# KiCad board squishy.kicad_pcb (continued)
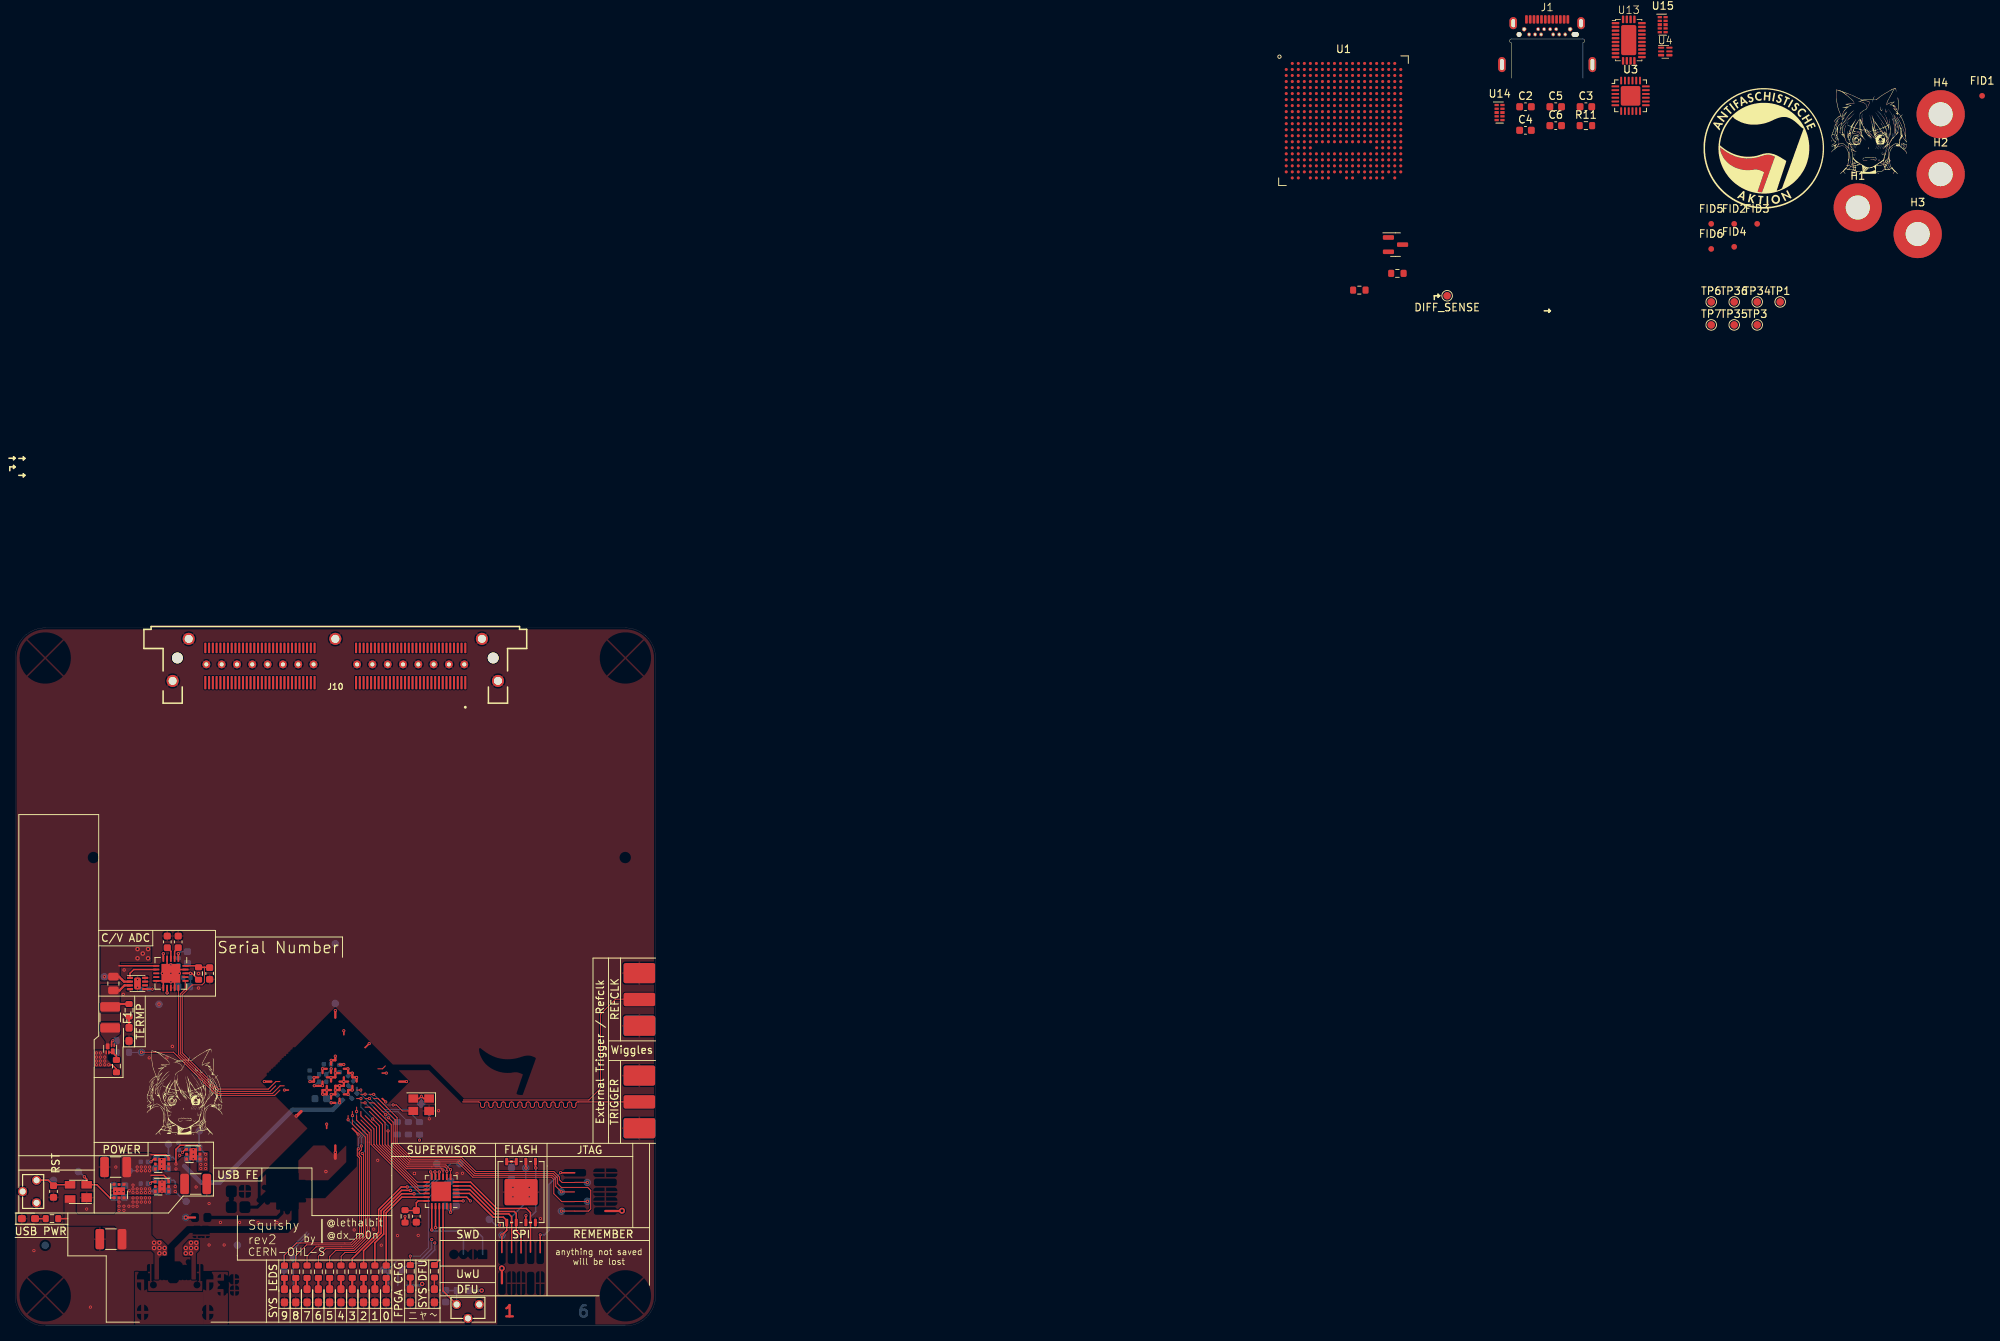
[diagram p0: board, top side]
## Footprints (pads in the part's own frame, mm; a bottom-side part is the same pattern mirrored in y, then rotated) (continued)
  rrect 0.279x1.397 smd: 02(17.252,1.334) 04(16.752,1.334) 06(16.252,1.334) 08(15.752,1.334) 10(15.252,1.334) 12(14.752,1.334) 14(14.252,1.334) 16(13.752,1.334) 18(13.252,1.334) 20(12.752,1.334) 22(12.252,1.334) 24(11.752,1.334) 26(11.252,1.334) 28(10.752,1.334) 30(10.252,1.334) 32(9.752,1.334) 34(9.252,1.334) 36(8.752,1.334) 38(8.252,1.334) 40(7.752,1.334) 42(7.252,1.334) 44(6.752,1.334) 46(6.252,1.334) 48(5.752,1.334) 50(5.252,1.334) 52(4.752,1.334) 54(4.252,1.334) 56(3.752,1.334) 58(3.252,1.334) 60(2.752,1.334) 62(-2.752,1.334) 64(-3.252,1.334) 66(-3.752,1.334) 68(-4.252,1.334) 70(-4.752,1.334) 72(-5.252,1.334) 74(-5.752,1.334) 76(-6.252,1.334) 78(-6.752,1.334) 80(-7.252,1.334) 82(-7.752,1.334) 84(-8.252,1.334) 86(-8.752,1.334) 88(-9.252,1.334) 90(-9.752,1.334) 92(-10.252,1.334) 94(-10.752,1.334) 96(-11.252,1.334) 98(-11.752,1.334) 100(-12.252,1.334) 102(-12.752,1.334) 104(-13.252,1.334) 106(-13.752,1.334) 108(-14.252,1.334) 110(-14.752,1.334) 112(-15.252,1.334) 114(-15.752,1.334) 116(-16.252,1.334) 118(-16.752,1.334) 120(-17.252,1.334)
  round 1.601 hole 1.067: GND(-21.59,-3.048) GND(-19.456,2.54) GND(0,2.54) GND(19.456,2.54) GND(21.59,-3.048)
  round 1.041 hole 0.533: GND(-17.113,-0.851) GND(-15.082,-0.851) GND(-13.05,-0.851) GND(-11.018,-0.851) GND(-8.986,-0.851) GND(-6.954,-0.851) GND(-4.921,-0.851) GND(-2.889,-0.851) GND(2.889,-0.851) GND(4.921,-0.851) GND(6.954,-0.851) GND(8.986,-0.851) GND(11.018,-0.851) GND(13.05,-0.851) GND(15.082,-0.851) GND(17.113,-0.851)
R_0603_1608Metric
  rrect 0.8x0.95 smd: 1(-0.825,0) 2(0.825,0)
R_0805_2012Metric
  rrect 1.025x1.4 smd: 1(-0.912,0) 2(0.912,0)
SOT-23
  rrect 1.475x0.6 smd: 1(-0.938,0.95) 2(-0.938,-0.95) 3(0.938,0)
SOT-143
  rect 1.4x1.2 smd: 1(-1.1,0.77)
  rect 1.4x1 smd: 2(-1.1,-0.95) 3(1.1,-0.95) 4(1.1,0.95)
SW_Tactile_SPST_Angled_TC-1109DE
  round 1.2 hole 0.8: 1(-1.5,0) 2(1.5,0) 3(0,1.85)
TestPoint_Pad_D1.0mm
  round 1 smd: 1(0,0)
UDFN-6L
  rrect 0.8x0.25 smd: 1(-0.55,0.55) 2(-0.55,0.05) 5(0.55,0.05) 6(0.55,0.55)
  rrect 0.8x0.35 smd: 3(-0.55,-0.45) 4(0.55,-0.45)
USB-3.1-Type-C_In-PCB
  round 0.65 hole 0.65 unplated: (-3.725,0.4)
  oval 0.95x0.65 hole 0.95x0.65 unplated: (3.725,0.4)
  rrect 0.35x1.1 smd: A1(-2.75,2.4) A2(-2.25,2.4) A3(-1.75,2.4) A4(-1.25,2.4) A5(-0.75,2.4) A6(-0.25,2.4) A7(0.25,2.4) A8(0.75,2.4) A9(1.25,2.4) A10(1.75,2.4) A11(2.25,2.4) A12(2.75,2.4)
  round 0.6 hole 0.4: B1(3.05,1.1) B12(-3.05,1.1)
  round 0.5 hole 0.3: B2(2.4,0.4) B3(1.6,0.4) B4(1.2,1.1) B5(0.8,0.4) B6(0.4,1.1) B7(-0.4,1.1) B8(-0.8,0.4) B9(-1.2,1.1) B10(-1.6,0.4) B11(-2.4,0.4)
  oval 1x2 hole 0.5x1.5: S1(-6,-3.6) S1(6,-3.6)
  oval 1x1.6 hole 0.5x1.1: S1(-4.5,1.9) S1(4.5,1.9)
USON-10_2.5x1.0mm_P0.5mm
  rect 0.55x0.3 smd: 1(-0.385,1) 2(-0.385,0.5) 4(-0.385,-0.5) 5(-0.385,-1) 6(0.385,-1) 7(0.385,-0.5) 9(0.385,0.5) 10(0.385,1)
  rect 0.55x0.4 smd: 3(-0.385,0) 8(0.385,0)
WQFN-28-1EP_3.5x5.5_P0.5mm_EP2x4mm
  rrect 1x0.3 smd: 1(-1.75,2.25) 2(-1.75,1.75) 3(-1.75,1.25) 4(-1.75,0.75) 5(-1.75,0.25) 6(-1.75,-0.25) 7(-1.75,-0.75) 8(-1.75,-1.25) 9(-1.75,-1.75) 10(-1.75,-2.25) 15(1.75,-2.25) 16(1.75,-1.75) 17(1.75,-1.25) 18(1.75,-0.75) 19(1.75,-0.25) 20(1.75,0.25) 21(1.75,0.75) 22(1.75,1.25) 23(1.75,1.75) 24(1.75,2.25)
  rrect 0.3x1 smd: 11(-0.75,-2.75) 12(-0.25,-2.75) 13(0.25,-2.75) 14(0.75,-2.75) 25(0.75,2.75) 26(0.25,2.75) 27(-0.25,2.75) 28(-0.75,2.75)
  rrect 2x4 smd: 29(0,0)
WSON-6-1EP_2x2mm_P0.65mm_EP1x1.6mm
  rrect 0.81x0.64 smd: (0,0.4) (0,-0.4)
  rrect 0.375x0.4 smd: 1(-0.887,0.65) 2(-0.887,0) 3(-0.887,-0.65) 4(0.887,-0.65) 5(0.887,0) 6(0.887,0.65)
  rect 1x1.6 smd: 7(0,0)
WSON-8-1EP-6.0x8.0mm
  rrect 1x0.4 smd: 1(-4.05,1.905) 2(-4.05,0.635) 3(-4.05,-0.635) 4(-4.05,-1.905) 5(4.05,-1.905) 6(4.05,-0.635) 7(4.05,0.635) 8(4.05,1.905)
  rrect 3.5x4.4 smd: 9(0,0)
WSON_8_2x2mm_1EP
  rrect 0.8x0.3 smd: 1(-1,0.75) 2(-1,0.25) 3(-1,-0.25) 4(-1,-0.75) 5(1,0.75) 6(1,0.25) 7(1,-0.25) 8(1,-0.75)
  rrect 0.9x1.6 smd: 9(0,0)
X2-DFN1310-6
  rrect 0.5x0.79 smd: 1(-0.34,0.33) 4(0.34,-0.33)
  rrect 0.2x0.5 smd: 2(0.18,0.47) 3(0.53,0.47) 5(-0.18,-0.47) 6(-0.53,-0.47)

## Nets
+1V1: C18.1 C21.1 C22.1 C23.1 C36.1 TP20.1 U10.1 U10.2
+1V8: C33.1 TP12.1 U9.1 U9.2
+2V5: C7.2 C24.1 C25.1 C26.1 C34.1 TP9.1 U8.1 U8.2 U10.3 U10.6
+3V3: C1.1 C2.1 C6.1 C8.2 C11.1 C12.1 C13.1 C17.1 C19.1 C27.1 C28.1 C29.1 C30.1 C31.1 C41.1 C42.1 R14.1 R25.1 R26.1 R27.1 R33.1 TP11.1 U2.3 U2.7 U2.8 U3.23 U6.24 U7.1 U8.3 U8.6 U9.3 U9.6 U11.18 U13.17 U13.22 X1.1 X1.2
+5V: C9.1 C16.1 C39.1 C40.1 C43.2 J1.A4 J1.A9 J1.B4 J1.B9 Q3.3 R17.1 R32.1 TP10.1 U5.4 U7.5 U7.6 U11.1 U12.8
GND: C1.2 C2.2 C3.1 C4.2 C5.1 C6.2 C7.1 C8.1 C9.2 C10.2 C11.2 C12.2 C13.2 C14.2 C15.2 C16.2 C17.2 C18.2 C19.2 C20.2 C21.2 C22.2 C23.2 C24.2 C25.2 C26.2 C27.2 C28.2 C29.2 C30.2 C31.2 C32.2 C33.2 C34.2 C35.2 C36.2 C37.2 C38.2 C39.2 C40.2 C41.2 C42.2 C43.1 C44.2 D1.1 D2.1 D3.1 D4.1 D5.1 D6.1 D7.1 D8.1 D9.1 D10.1 D11.1 D12.1 D13.1 D14.1 H1.1 H2.1 H3.1 H4.1 J1.A1 J1.A12 J1.B1 J1.B12 J8.2 J9.2 J10.GND Q2.2 Q3.6 R11.1 R18.2 R28.2 R29.2 SW1.1 SW1.3 SW2.1 SW2.3 TP13.1 TP14.1 TP15.1 TP16.1 TP17.1 U2.4 U2.9 U3.25 U4.3 U4.4 U5.1 U6.23 U7.3 U7.7 U8.5 U8.7 U9.5 U9.7 U10.5 U10.7 U11.4 U11.10 U11.11 U11.13 U11.14 U11.19 U11.21 U12.4 U12.5 U12.6 U12.9 U13.29 U14.3 U14.8 U15.3 U15.8 X1.4
/CIPO: TP35.1 U2.2 U6.5
/CLKOUT: J9.1 U1.P4
/COPI: TP36.1 U2.5 U6.6
/FPGA_CCLK: U1.U3 U6.13
/FPGA_CFG0: R27.2 U1.U4
/FPGA_CFG1: R28.1 U1.T4
/FPGA_CFG2: R29.1 U1.R4
/FPGA_CIPO: U1.V2 U6.16
/FPGA_COPI: U1.W2 U6.14
/FPGA_DONE: R4.1 TP31.1 U1.Y3 U6.7
/FPGA_RX: TP4.1 U1.K1
/FPGA_TCK: TP26.1 U1.T5
/FPGA_TDI: TP28.1 U1.R5
/FPGA_TDO: TP27.1 U1.V4
/FPGA_TMS: TP25.1 U1.U5
/FPGA_TX: TP5.1 U1.J1
/IN_DFU: R24.1 U6.21
/PD_SWCLK: TP7.1 U3.8
/PD_SWDIO: TP6.1 U3.7
/Power Supply/PSU_EN: TP22.1 U5.2 U7.4
/S0: R19.1 U6.17
/S1: R5.1 U6.10
/S2: R20.1 U6.11
/S3: R6.1 U6.12
/S4: R21.1
/S5: R7.1
/S6: R22.1
/S7: R8.1
/S8: R23.1
/S9: R9.1
/SCSI-PHY/DIFF_SENSE: R16.1 TP24.1
/SCSI-PHY/~{DIFF_SENSE}: Q2.3 R14.2
/SPI_CLK: TP19.1 U2.6 U6.4
/SU_RX: TP33.1 U6.1
/SU_SWCLK: TP3.1 U6.19
/SU_SWDIO: TP1.1 U6.20
/SU_TX: TP32.1 U6.2
/SYS_CLK: U1.H2 X1.3
/Termination Power/_TERMPWR: F1.1 R15.1 R30.1 U12.3
/Termination Power/ADC_SCL: U11.16
/Termination Power/ADC_SDA: U11.15
/Termination Power/TERMPWR_CSENSE: U11.7 U12.1
/Termination Power/TP_EN: R31.1 TP8.1
/Termination Power/~{ADC_RST}: C44.1 R33.2 U11.20
/TERMPWR: R30.2 TP2.1 U11.6 U12.2
/TRIGGER: J8.1 U1.N3
/USB Frontend/CC1: J1.A5 U3.15
/USB Frontend/CC2: J1.B5 U3.14
/USB Frontend/D+: J1.A6 J1.B6 U3.17 U4.2 U4.5
/USB Frontend/D-: J1.A7 J1.B7 U3.16 U4.1 U4.6
/USB Frontend/PLUG_POL: U3.9 U13.3
/USB Frontend/RX1+: J1.B11 U13.1 U14.1
/USB Frontend/RX1-: J1.B10 U13.2 U14.2
/USB Frontend/RX2+: J1.A11 U13.9 U15.4
/USB Frontend/RX2-: J1.A10 U13.10 U15.5
/USB Frontend/TX1+: J1.A2 U13.4 U14.4
/USB Frontend/TX1-: J1.A3 U13.5 U14.5
/USB Frontend/TX2+: J1.B2 U13.6 U15.1
/USB Frontend/TX2-: J1.B3 U13.7 U15.2
/USB Frontend/USB-FE.RX+: U1.Y15 U13.28
/USB Frontend/USB-FE.RX-: U1.Y14 U13.27
/USB Frontend/USB-FE.TX+: U1.W14 U13.26
/USB Frontend/USB-FE.TX-: U1.W13 U13.25
/~{DFU_TRIG}: C15.1 R26.2 SW2.2 TP34.1 U6.22
/~{FPGA_CS}: U1.T2 U6.15
/~{FPGA_INIT}: TP29.1 U1.V3 U6.9
/~{FPGA_PROG}: TP30.1 U1.W3 U6.8
/~{FPGA_RESET}: TP23.1
/~{SPI_CS}: TP18.1 U2.1 U6.3
Net-(C4-Pad1): C4.1 U3.24
Net-(C10-Pad1): C10.1 SW1.2 TP21.1 U5.3
Net-(C14-Pad1): C14.1 R25.2 U6.18
Net-(C20-Pad1): C20.1 U8.4
Net-(C32-Pad1): C32.1 U9.4
Net-(C35-Pad1): C35.1 U10.4
Net-(C37-Pad1): C37.1 U11.2
Net-(C38-Pad1): C38.1 U11.3
Net-(D1-Pad2): D1.2 R4.2
Net-(D2-Pad2): D2.2 R5.2
Net-(D3-Pad2): D3.2 R6.2
Net-(D4-Pad2): D4.2 R7.2
Net-(D5-Pad2): D5.2 R8.2
Net-(D6-Pad2): D6.2 R9.2
Net-(D7-Pad2): D7.2 R15.2
Net-(D8-Pad2): D8.2 R19.2
Net-(D9-Pad2): D9.2 R20.2
Net-(D10-Pad2): D10.2 R21.2
Net-(D11-Pad2): D11.2 R22.2
Net-(D12-Pad2): D12.2 R23.2
Net-(D13-Pad2): D13.2 R24.2
Net-(D14-Pad2): D14.2 R32.2
Net-(F1-Pad2): F1.2 Q3.4
Net-(Q2-Pad1): Q2.1 R16.2
Net-(Q3-Pad1): Q3.1 Q3.2 R17.2
Net-(Q3-Pad5): Q3.5 R18.1 R31.2
Net-(R11-Pad2): C3.2 C5.2 J1.S1 R11.2
Net-(U1-PadB14): U1.B7 U1.B14 U1.C19 U1.D4 U1.F7 U1.F8 U1.F13 U1.F14 U1.G4 U1.G6 U1.G7 U1.G8 U1.G9 U1.G10 U1.G11 U1.G12 U1.G13 U1.G14 U1.G15 U1.G17 U1.H19 U1.J2 U1.J7 U1.J9 U1.J10 U1.J11 U1.J12 U1.J14 U1.K6 U1.K7 U1.K9 U1.K10 U1.K11 U1.K12 U1.K14 U1.K15 U1.L9 U1.L10 U1.L11 U1.L12 U1.M2 U1.M7 U1.M9 U1.M10 U1.M11 U1.M12 U1.M14 U1.M16 U1.N6 U1.N7 U1.N14 U1.N15 U1.P7 U1.P8 U1.P11 U1.P12 U1.P13 U1.P14 U1.R19 U1.U7 U1.U8 U1.U9 U1.U10 U1.U11 U1.U12 U1.U13 U1.U14 U1.V5 U1.V6 U1.V7 U1.V8 U1.V9 U1.V12 U1.V13 U1.V14 U1.V15 U1.V16 U1.V19 U1.V20 U1.W6 U1.W7 U1.W12 U1.W15 U1.W16 U1.W19
Net-(U1-PadF10): U1.F9 U1.F10
Net-(U1-PadF11): U1.F11 U1.F12
Net-(U1-PadF15): U1.F6 U1.F15 U1.P6 U1.P15
Net-(U1-PadH6): U1.H6 U1.H7 U1.J6
Net-(U1-PadH10): U1.H8 U1.H9 U1.H10 U1.H11 U1.H12 U1.H13 U1.J8 U1.J13 U1.K8 U1.K13 U1.L8 U1.L13 U1.M8 U1.M13 U1.N8 U1.N9 U1.N10 U1.N11 U1.N12 U1.N13
Net-(U1-PadH14): U1.H14 U1.H15 U1.J15
Net-(U1-PadL6): U1.L6 U1.L7 U1.M6
Net-(U1-PadL14): U1.L14 U1.L15 U1.M15
Net-(U1-PadP10): U1.P9 U1.P10
Net-(U1-PadT6): U1.T6 U1.U6
Net-(U1-PadT15): U1.T15 U1.U15
Net-(U1-PadV10): U1.V10 U1.V11
Net-(U1-PadV17): U1.V17 U1.V18
Net-(U11-Pad12): U11.5 U11.12

Pads without a net: J1 A8 B8; J10 01 02 03 04 05 06 07 08 09 10 11 12 13 14 15 16 17 18 19 20 21 22 23 24 25 26 27 28 29 30 31 32 33 34 35 36 37 38 39 40 41 42 43 44 45 46 47 48 49 50 51 52 53 54 55 56 57 58 59 60 61 62 63 64 65 66 67 68 69 70 71 72 73 74 75 76 77 78 79 80 81 82 83 84 85 86 87 88 89 90 91 92 93 94 95 96 97 98 99 100 101 102 103 104 105 106 107 108 109 110 111 112 113 114 115 116 117 118 119 120; U1 A2 A3 A4 A5 A6 A7 A8 A9 A10 A11 A12 A13 A14 A15 A16 A17 A18 A19 B1 B2 B3 B4 B5 B6 B8 B9 B10 B11 B12 B13 B15 B16 B17 B18 B19 B20 C1 C2 C3 C4 C5 C6 C7 C8 C9 C10 C11 C12 C13 C14 C15 C16 C17 C18 C20 D1 D2 D3 D5 D6 D7 D8 D9 D10 D11 D12 D13 D14 D15 D16 D17 D18 D19 D20 E1 E2 E3 E4 E5 E6 E7 E8 E9 E10 E11 E12 E13 E14 E15 E16 E17 E18 E19 E20 F1 F2 F3 F4 F5 F16 F17 F18 F19 F20 G1 G2 G3 G5 G16 G18 G19 G20 H1 H3 H4 H5 H16 H17 H18 H20 J3 J4 J5 J16 J17 J18 J19 J20 K2 K3 K4 K5 K16 K17 K18 K19 K20 L1 L2 L3 L4 L5 L16 L17 L18 L19 L20 M1 M3 M4 M5 M17 M18 M19 M20 N1 N2 N4 N5 N16 N17 N18 N19 N20 P1 P2 P3 P5 P16 P17 P18 P19 P20 R1 R2 R3 R16 R17 R18 R20 T1 T3 T7 T8 T9 T10 T11 T12 T13 T14 T16 T17 T18 T19 T20 U1 U2 U16 U17 U18 U19 U20 V1 W1 W4 W5 W8 W9 W10 W11 W17 W18 W20 Y2 Y5 Y6 Y7 Y8 Y11 Y12 Y16 Y17 Y19; U3 1 2 3 4 5 6 10 11 12 13 18 19 20 21 22; U6 25; U7 2; U11 8 9 17; U12 7; U13 8 11 12 13 14 15 16 18 19 20 21 23 24; U14 6 7 9 10; U15 6 7 9 10

## Via types
v1: diameter 0.41, hole 0.2, Top to Bottom, 179 vias
v2: diameter 0.45, hole 0.2, Top to Bottom, 39 vias
v3: diameter 0.6, hole 0.3, Top to Bottom, 22 vias
v4: diameter 0.8, hole 0.4, Top to Bottom, 2 vias

## Routing (per net, layer and track width the routed paths; a pad name or vN(x,y) marks a point on that pad's centre or on a via; arc(x,y) is an arc through that point)
+1V1: length 12.2
  Top w0.3: v1(41.95,34.15) 41.93,34.13 41.93,33.58 ; 44.2,30.75 v1(44.2,30.75) ; 44.2,30.75 43.63,30.75 ; 44.2,30.75 44.2,31.32 44.74,31.32 v1(44.75,31.33) 44.76,31.34 44.76,31.88 ; 40.8,32.45 40.8,31.9 v1(40.8,31.9) 40.78,31.88 39.72,31.88 v1(39.7,31.9)
  Bottom w0.2: TP20.1 24.42,25.88 C36.1 ; 44.25,31.88 44.25,31.83 v1(44.75,31.33) ; 44.7,30.23 44.7,30.25 v1(44.2,30.75) ; 24.4,23.65 24.45,23.65 v1(25.3,22.8) ; v1(40.8,31.9) 40.8,32 40.35,32.45 ; 41.33,33.4 41.95,34.03 v1(41.95,34.15) ; v1(39.7,31.9) 40.35,32.55
  vias: v1(24.65,20.9) v1(24.65,21.45) v1(25.3,22.15) v1(25.3,21.45) v1(25.3,20.9)
+1V8: length 3.7
  Bottom w0.2: TP12.1 22.55,16.55 v1(21.25,17.85) ; 20.25,19.35 21.05,19.35 21.25,19.15 v1(21.25,18.5)
+2V5: length 43.5
  Top w0.2: U10.3 24.54,23.67 24.2,24 21.9,24 21.35,23.45 v1(21.35,21.5)
  Top w0.3: v1(43.08,29.62) 43.07,29.63 43.07,30.19 ; v1(43.62,34.73) 43.61,34.71 43.07,34.71
  In3.Cu w0.6: v1(43.08,29.62) 43.08,30.75 44.5,32.18 44.5,32.8 43.54,33.76 43.54,34.64 v1(43.62,34.73)
  Bottom w0.2: v1(43.62,34.73) 43.15,34.73 43.1,34.68 ; 43.42,30 43.42,29.98 v1(43.08,29.62) ; v1(21.35,21.5) 21.35,22 20.95,22.4 20.3,22.4 ; 20.3,22.35 20.35,22.4 TP9.1
  Bottom w0.6: 22.45,21.25 24.67,19.03 27.15,19.03 36.83,28.7 42.15,28.7 v1(43.08,29.62)
  vias: v1(21.35,20.85)
+3V3: length 75.4
  Top w0.2: v1(67.8,14.65) 67.78,14.64 67.78,13.73 ; U11.18 v2(23.27,46.83) 23.48,46.83 24.33,45.98 ; 18.05,22.75 20,22.75 20.39,22.37 U8.3 ; U6.24 v2(57.8,15.1) ; X1.1 54.22,30.2 v1(53.92,30.5) 53.62,30.2 X1.2 ; U2.7 v1(65.88,21.83) U2.8 ; U9.3 20.39,19.37 19.75,20 18.05,20
  Top w0.3: v4(80.55,15.3) 80.51,15.26 78.33,15.26 ; v1(41.95,29.62) 41.95,29.62 42.5,29.62 ; 41.93,34.71 41.93,35.26 v1(41.95,35.28) 41.95,35.28 42.5,35.28 v1(42.5,35.83) ; 41.37,31.32 41.37,30.75 40.85,30.75 v1(40.83,30.78) 40.8,30.8 40.8,31.32 41.37,31.32 ; 41.37,31.32 v1(41.38,31.33) ; 43.63,34.15 44.17,34.15 v1(44.17,34.15) 44.2,34.13 44.2,33.58 44.74,33.58 v1(44.75,33.58) 44.76,33.56 44.76,33.02 45.31,33.02 v1(45.33,33) 45.33,33 45.33,32.45 ; v4(64.6,7.65) 64.61,7.64 64.61,5.67 ; v1(41.38,31.33) 41.38,31.32 41.93,31.32 ; v1(41.38,31.33) 41.37,31.33 41.37,31.88 ; v1(39.12,32.45) 39.67,32.45 39.67,33 v1(39.67,33) 39.69,33.02 40.24,33.02 ; R25.1 v1(51.75,14.55)
  In3.Cu w0.2: v1(53.67,24.68) 53.67,22.28
  In3.Cu w0.4: 50.72,31.08 51.3,30.5 v1(53.92,30.5) ; 23.3,46.8 v2(23.27,46.83)
  In3.Cu w0.8: 23.25,52.9 23.27,52.88 v2(23.27,46.83) 23.27,28.08
  Bottom w0.2: v1(40.83,30.78) 41.33,30.28 41.33,30.18 ; v1(65.88,21.83) 65.88,21.08 ; 44.9,32.55 45.33,32.98 v1(45.33,33) ; 41.42,30.12 41.92,29.62 v1(41.95,29.62) ; v1(41.95,35.28) 41.95,34.78 41.92,34.75 ; 53.9,29.5 53.92,29.53 v1(53.92,30.5) ; R27.1 v1(53.67,24.68) ; v1(17.85,17.7) 18.05,17.9 C27.1 ; 23.23,45.03 23.28,45.08 C42.1 ; v1(39.12,32.45) 39.12,32.98 ; 57.1,15.9 57.1,15.8 v2(57.8,15.1) 58.55,15.85 58.55,15.95 ; v1(39.67,33) 39.1,33 ; v2(23.27,46.83) 23.27,46.25 ; v1(16.2,20.6) TP11.1
  Bottom w0.3: 52.05,5.38 53.83,5.38 v3(54.03,5.58) ; R26.1 v3(61.92,4.7)
  vias: v1(15.15,17.95) v1(15.65,18.7) v1(15.65,18.2) v1(15.65,17.7) v1(16.2,21.1) v1(16.2,18.2) v1(16.2,17.7) v1(16.75,21.1) v1(16.75,20.6) v1(16.75,18.2) v1(16.75,17.7) v1(17.3,21.1) v1(17.3,20.6) v1(17.3,18.2) v1(17.3,17.7) v1(17.85,21.1) v1(17.85,20.6) v1(17.85,18.2)
+5V: length 22.5
  Top w0.2: U11.1 v2(21.67,49.43) ; v1(12.42,34.68) 12.88,34.68 13.45,34.1 R17.1 ; U12.8 v1(18.23,44.73) ; R32.1 7.02,14.25
  Top w0.3: 23.88,14.4 v3(22.65,14.4)
  In2.Cu w0.4: v2(21.67,49.43) 21.67,50.6
  In2.Cu w0.8: v1(18.23,44.73) 18.65,45.15 18.65,50.08 19.17,50.6 21.67,50.6
  In3.Cu w0.3: v3(22.65,14.4) 22.65,11.05
  Bottom w0.2: 21.67,48.85 v2(21.67,49.43) 21.95,49.7 22.85,49.7 ; 13.1,17.05 C16.1 13.17,17.08 v1(13.8,16.45) ; v1(18.23,44.73) 17.73,44.73
  vias: v1(10.8,36.25) v1(10.8,35.7) v1(10.8,35.18) v1(10.8,34.68) v1(11.32,36.25) v1(11.32,35.7) v1(11.32,35.18) v1(11.32,34.68) v1(11.9,35.7) v1(11.9,35.18) v1(11.9,34.68) v1(13.8,15.9) v1(13.8,15.35) v1(14.45,15.9) v1(14.45,15.35) v1(15.1,15.9) v1(15.65,17) v1(15.65,16.45) v1(15.65,15.9) v1(16.2,17) v1(16.2,16.45) v1(16.2,15.9) v1(16.75,17) v1(16.75,16.45) v1(17.3,17) v1(17.3,16.45) v1(17.85,17) v1(17.85,16.45) v3(18.45,11.05) v3(18.45,10.35) v3(19.15,11.05) v3(19.15,10.35) v3(19.15,9.65) v3(19.85,10.35) v3(19.85,9.65) v3(22.65,10.35) v3(22.65,9.65) v3(23.35,11.05) v3(23.35,10.35) v3(23.35,9.65) v3(24.05,11.05) v3(24.05,10.35)
GND: length 26.6
  Top w0.2: v1(45.53,25.48) 44.77,26.23 44.76,26.23 ; 48.72,33.58 49.27,33.58 v1(49.28,33.58) ; v1(41.35,26.8) 41.35,26.23 ; 36.28,31.32 35.76,31.32 v1(35.75,31.33) ; U11.11 19.67,45.78 ; v1(43.62,39.2) 43.63,39.19 43.63,38.67 ; U11.14 21.17,45.73 ; U11.4 20.17,47.88 20.15,47.85 ; 48.72,30.19 48.75,30.19 v1(49.19,29.75) ; v1(47,37.5) 46.48,36.98 46.46,36.98 ; U11.10 19.52,45.83 ; U11.19 21.7,47.33
  Top w0.3: 42.5,34.15 v1(42.5,33.6) ; v1(42.5,33.6) 42.5,33.02 41.94,33.02 v1(41.92,33) ; v1(42.5,33.6) 42.52,33.58 43.07,33.58 ; 37.37,27.89 v2(37.31,27.89) ; 41.93,30.19 41.93,30.73 v1(41.95,30.75) 41.95,30.75 42.5,30.75 v1(42.5,31.33) ; v1(43.08,31.9) 43.09,31.88 43.63,31.88 43.63,32.44 v1(43.62,32.45) ; v1(43.08,31.9) 43.07,31.89 43.07,31.32 42.51,31.32 v1(42.5,31.33) ; v1(43.08,31.9) 43.06,31.88 42.5,31.88 v1(42.5,31.33) ; 41.93,32.45 41.93,32.99 v1(41.92,33) ; 44.2,32.45 v1(43.62,32.45) ; v1(43.62,32.45) 43.07,32.45 ; v1(43.62,32.45) 43.63,32.46 43.63,33.02 ; 41.37,34.15 40.8,34.15 ; 40.8,34.15 v1(40.8,34.15) ; 40.8,34.15 40.8,33.58 ; v1(41.92,33) 41.91,33.02 41.37,33.02 ; 50.99,32.45 v1(51.95,32.45) ; 34.01,32.45 v1(33.08,32.45) ; 42.5,40.94 v1(42.5,41.88) ; 42.5,23.96 v1(42.5,23.05)
  Top w0.4: v1(42.5,23.05) 42.5,22.25 ; 37.97,28.49 37.37,27.89
  Bottom w0.3: 45.38,31.62 45.36,31.61 C21.2
  vias: v1(2.5,10) v1(9.5,15.53) v1(10,2.5) v1(13.3,17.85) v1(13.38,21.1) v1(13.8,17.85) v1(14.35,17.85) v1(16.25,45.98) v1(16.25,44.98) v1(17.8,35.6) v1(19.45,22.1) v1(19.45,21.5) v1(19.45,20.9) v1(19.5,19.1) v1(19.5,18.5) v1(19.5,17.9) v1(20.15,35.6) v1(21.85,22.65) v1(23.65,23.4) v1(23.65,22.8) v1(23.65,22.2) v1(24.02,18.45) v1(25.75,16.25) v1(25.75,10.75) v1(27.25,13.75) v1(27.75,10.75) v1(29.8,13.75) v1(32.25,13.75) v1(34.75,13.75) v1(45,12.75) v1(47.6,12.85) v1(48.12,22) v1(48.6,10.73) v1(50.75,12) v1(53,20.25) v1(53,20.25) v1(53,20.25) v1(53.5,12.03) v1(54.97,27.5) v1(56.2,28.58) v1(58.65,20.25) v1(59.38,20.28) v1(69.72,14.25) v2(14.35,44.03) v2(14.48,47.28) v2(19.1,42.73) v2(19.55,46.83) v2(20.67,47.95) v2(20.67,46.83) v2(20.67,45.7) v2(20.88,37.12) v2(21.8,46.83) v2(24.35,46.8) v2(24.35,44.88) v2(41.25,20.5) v2(66.08,18.4) v2(66.08,17.15) v2(68.22,18.4) v2(68.22,17.15)
/CIPO: length 15
  Top w0.2: 67.15,9.7 67.15,12 66.52,12.64 U2.2 66.52,14.94 66.25,15.2 63.8,15.2 60.4,18.6 U6.5
/CLKOUT: length 35.7
  Top w0.127: 48.16,34.15 48.75,34.15 49.13,34.53 ; 59.51,30 76.15,30 77.7,31.55 77.7,41.4 79.7,43.4 82.8,43.4
/COPI: length 25.2
  Top w0.2: 69.1,20.9 69.06,20.95 U2.5 ; U6.6 60.45,19.1 63.95,15.6 67.85,15.6 68.4,15.05 v2(68.4,13.75) 68.4,9.8
  Bottom w0.2: 69.1,20.9 69.1,15.2 68.4,14.5 v2(68.4,13.75)
  vias: v2(69.1,20.98)
/FPGA_CCLK: length 16
  Top w0.127: v1(47.46,27.48) 48.35,26.59 48.35,24.1 53.35,19.1 U6.13 ; v1(45.9,30.2) 45.89,30.19 45.33,30.19
  Bottom w0.127: v1(45.9,30.2) 45.9,29.05 47.46,27.49 v1(47.46,27.48)
/FPGA_CFG0: length 9.3
  Top w0.127: 45.89,30.75 46.43,30.75 v1(46.45,30.78)
  Bottom w0.127: 53.67,27.08 52,28.75 49.03,28.75 49.03,28.76 47.01,30.78 v1(46.45,30.78)
/FPGA_CFG1: length 7
  Top w0.127: v1(47.03,30.2) 47.01,30.19 46.46,30.19
  Bottom w0.127: 52.17,27.1 50.83,28.45 48.78,28.45 v1(47.03,30.2)
/FPGA_CFG2: length 4.8
  Top w0.127: 47.03,29.62 47.62,29.62 48.77,28.48 48.78,28.48 49.19,28.06 v1(49.19,28.04)
  Bottom w0.127: 50.72,27.08 50.7,27.08 49.74,28.04 v1(49.19,28.04)
/FPGA_CIPO: length 13.9
  Top w0.127: 46.78,26.48 47.25,26 47.25,24.1 53.75,17.6 54.6,17.6 ; 46.78,26.48 46.78,26.48 ; 46.78,26.48 45.89,27.36
/FPGA_COPI: length 13.4
  Top w0.127: 46.46,27.92 47.33,27.06 ; 47.33,27.06 47.33,27.05 ; 47.33,27.06 47.97,26.41 47.97,24.1 53.47,18.6 54.65,18.6
/FPGA_DONE: length 34.1
  Top w0.127: v1(46.45,29.62) 46.45,29.62 45.89,29.62 ; 57.8,19.78 v1(57.8,20.75) 57.17,21.38 52.14,21.38 49.5,24.03 v1(49.5,25.9) ; v1(52.45,9.28) 52.45,8.08
  Bottom w0.127: v1(57.8,20.75) TP31.1 57.09,19.23 54.85,16.98 54.85,10.35 53.78,9.28 v1(52.45,9.28) ; v1(49.5,25.9) 49.5,26.58 v1(46.45,29.62)
/FPGA_RX: length 8.3
  Bottom w0.2: 38.74,12.46 35.67,9.39 35.67,5.4
/FPGA_TCK: length 36.3
  Top w0.127: v1(75.95,16.55) 75.93,16.53 74.27,16.53 ; 47.59,29.06 48.47,28.18 48.47,28.18 49.93,26.72 49.93,23.95 52.25,21.64 58.86,21.64 60.75,19.75 71.18,19.75 71.49,19.44 71.49,17.56 72.55,16.5 74.25,16.5
/FPGA_TDI: length 35.2
  Top w0.127: 47.59,30.19 48.19,30.19 49.33,29.05 50.7,27.67 50.7,24.26 52.56,22.4 59.25,22.4 61.14,20.51 71.5,20.51 72.25,19.76 72.25,19.4 72.6,19.05 74.25,19.05 ; v1(75.95,19.05) 75.93,19.07 74.27,19.07
/FPGA_TDO: length 37.2
  Top w0.127: v1(45.88,31.33) 45.87,31.32 45.33,31.32 ; 74.25,17.8 v1(72.5,17.8) 71.75,18.55 71.75,19.54 71.29,20 60.87,20 58.99,21.89 52.35,21.89 50.18,24.06 50.18,27.04 v1(49.58,27.65) 49.58,27.65
  Bottom w0.127: v1(45.88,31.33) 45.92,31.28 45.92,30.74 49.01,27.65 v1(49.58,27.65)
/FPGA_TMS: length 41.8
  Top w0.127: v1(72.5,15.25) 72.51,15.26 74.27,15.26 ; 74.3,15.25 76.1,15.25 76.4,15.55 76.4,18 76,18.4 72.5,18.4 72,18.9 72,19.65 71.39,20.26 61.02,20.26 59.13,22.14 52.46,22.14 50.45,24.15 50.45,27.34 49.04,28.75 49.03,28.75 49.03,28.75 48.16,29.62
/FPGA_TX: length 7.7
  Bottom w0.2: 39,12.25 36.92,10.18 36.92,5.4
/IN_DFU: length 8.1
  Top w0.2: U6.21 56.3,8.75 55.65,8.1
/Power Supply/PSU_EN: length 6.5
  Top w0.2: v2(9.2,19.8) 9.5,19.5 U5.2 10.85,18.75 12.59,17.01 U7.4
  Bottom w0.2: v2(9.2,19.8) 8.5,20.5
/S0: length 13.2
  Top w0.2: R19.1 49.25,15.03 51.33,17.1 U6.17
/S1: length 18.4
  Top w0.152: v2(56.3,20.44) 56.3,20.43 U6.10
  Top w0.2: v2(52.95,17.55) 51.3,17.55 48.92,15.17 48.92,12.2 47.75,11.03 R5.1
  Bottom w0.2: v2(56.3,20.44) 56.3,19.58 54.28,17.55 v2(52.95,17.55)
/S2: length 18.8
  Top w0.152: v2(55.73,20.45) 55.8,20.38 U6.11
  Top w0.2: v2(52.47,18) 51.29,18 48.58,15.29 48.58,12.31 46.25,9.99 R20.1
  Bottom w0.2: v2(52.47,18) 54.27,18 55.73,19.46 v2(55.73,20.45)
/S3: length 19.2
  Top w0.152: U6.12 55.3,20.3 v2(55.15,20.45)
  Top w0.2: v2(52.05,18.45) 51.25,18.45 48.25,15.45 48.25,12.45 44.75,8.95 R6.1
  Bottom w0.2: v2(52.05,18.45) 54.23,18.45 55.15,19.38 v2(55.15,20.45)
/S4: length 23
  Top w0.127: 45.33,27.92 45.33,27.33 47,25.66 47,11.61 45.14,9.75 43.77,9.75 43.27,9.25 43.27,8
/S5: length 22.9
  Top w0.127: 45.33,26.79 46.74,25.38 46.74,11.77 44.98,10 42.53,10 41.75,9.23 R7.1
/S6: length 24.8
  Top w0.127: 44.76,27.36 44.76,26.8 46.49,25.07 46.49,11.87 44.87,10.26 41.26,10.26 40.25,9.25 R22.1
/S7: length 27.7
  Top w0.127: 45.33,29.06 45.33,28.48 v1(45.33,28.48) ; v1(46.08,22.9) 46.24,22.74 46.24,11.98 44.77,10.51 39.96,10.51 38.75,9.3 R8.1 38.77,8
  Bottom w0.127: v1(45.33,28.48) 45.33,27.33 46.43,26.22 46.43,23.25 v1(46.08,22.9)
/S8: length 28.5
  Top w0.127: 44.76,28.49 44.76,27.94 v1(44.78,27.93) ; v1(45.95,23.9) 45.95,23.36 45.67,23.08 45.67,22.71 45.98,22.4 45.98,12.08 44.66,10.76 38.69,10.76 37.25,9.33 37.25,8.08 37.23,8.05
  Bottom w0.127: v1(45.95,23.9) 45.95,24.95 46.17,25.17 46.17,25.95 44.78,27.35 v1(44.78,27.93)
/S9: length 29.3
  Top w0.127: v1(45.56,23.53) 45.42,23.38 45.42,22.61 45.73,22.29 45.73,13.35 45.72,13.35 45.72,12.18 44.56,11.02 37.37,11.02 35.73,9.38 35.73,8.03 ; v1(44.2,27.38) 44.2,27.38 44.2,27.92
  Bottom w0.127: v1(44.2,27.38) 44.2,27.36 45.92,25.64 45.92,25.27 45.56,24.91 v1(45.56,23.53)
/SPI_CLK: length 22.6
  Top w0.2: 65.9,9.75 v2(65.9,13.75) 65.9,14.5 65.53,14.87 63.58,14.87 60.35,18.1 U6.4 ; v2(67.8,20.98) 67.78,20.92 67.78,21.83
  Bottom w0.2: v2(67.8,20.98) 67.77,20.87 67.77,16.37 65.9,14.5 v2(65.9,13.75)
/SU_RX: length 21.1
  Top w0.2: U6.1 v1(59.47,16.6)
  In3.Cu w0.2: v1(59.47,16.6) 59.47,12.03 58.92,11.48 v1(55.3,11.48)
  Bottom w0.2: 49.55,6.83 49.55,7.5 50.78,8.73 53.75,8.73 55.27,10.24 55.27,11.44 v1(55.3,11.48) ; 49.55,6.83 48.92,7.45 ; 49.55,6.83 49.55,5.38
/SU_SWCLK: length 9.9
  Top w0.2: U6.19 v2(55.3,12.75)
  Bottom w0.2: 59.5,9.55 59.5,11.7 58.6,12.6 55.45,12.6 v2(55.3,12.75)
/SU_SWDIO: length 11.9
  Top w0.2: U6.20 v2(55.8,13.05)
  Bottom w0.2: 62.05,9.5 62.05,11.75 60.75,13.05 v2(55.8,13.05)
/SU_TX: length 20.7
  Top w0.2: U6.2 59.92,17.1 v1(60.42,16.6)
  In3.Cu w0.2: v1(55.7,11.03) 59.8,11.03 60.42,11.65 v1(60.42,16.6)
  Bottom w0.2: v1(55.7,11.03) 55.7,10.1 53.92,8.33 52.3,8.33 TP32.1 50.8,6.83 50.8,5.38
/SYS_CLK: length 6.8
  Top w0.127: v1(47.6,30.75) 47.6,30.75 47.03,30.75 ; v1(50.17,29.35) 50.6,29.35 51.4,28.55 X1.3
  Bottom w0.127: 47.62,30.75 v1(47.6,30.75) 49,29.35 v1(50.17,29.35)
/Termination Power/_TERMPWR: length 4.2
  Top w0.3: U12.3 14.52,45.23 13.85,44.55 13.08,44.55 ; R15.1 13.35,42.75
/Termination Power/ADC_SCL: length 24.9
  Top w0.127: 34.58,31.88 33.85,31.15 26.94,31.15 21.93,36.16 21.93,44.08 22.58,44.73 22.58,45.78 22.6,45.8
/Termination Power/ADC_SDA: length 25.4
  Top w0.127: 21.67,44.9 21.67,36.06 26.85,30.88 34.17,30.88 35.18,31.88 35.71,31.88
/Termination Power/TERMPWR_CSENSE: length 4.3
  Top w0.2: U11.7 15.75,47.33 15.25,46.83 15.25,46.25
/Termination Power/TP_EN: length 22.7
  Top w0.127: 35.15,31.32 34.45,30.62 26.75,30.62 21.02,36.35 v2(16.77,36.35)
  Bottom w0.127: R31.1 TP8.1
/Termination Power/~{ADC_RST}: length 32
  Top w0.127: 25.12,47.62 25.12,45.6 24.82,45.29 23.5,45.29 22.18,43.97 22.18,36.27 27,31.45 33.61,31.45 34.61,32.45 35.15,32.45
  Top w0.2: U11.20 24.12,47.83 24.3,47.65 ; 25.85,47.6 25.83,47.62 24.35,47.63
/TERMPWR: length 7.4
  Top w0.2: U11.6 13.8,47.83
  Top w0.3: U12.2 14.45,45.73 13.8,46.38 13.05,46.38
  vias: v2(11.85,46.38) v3(16.25,50.05) v3(16.25,48.83) v3(16.95,49.45) v3(17.65,50.05) v3(17.65,48.83)
/TRIGGER: length 36.1
  Top w0.127: J8.1 74.7,29.75 arc(74.51,29.67) 74.42,29.48 74.42,29.26 arc(74.34,29.07) 74.15,28.99 arc(73.96,29.07) 73.88,29.26 73.88,29.48 arc(73.79,29.67) 73.6,29.75 arc(73.41,29.67) 73.33,29.48 73.33,29.26 arc(73.24,29.07) 73.05,28.99 arc(72.86,29.07) 72.78,29.26 72.78,29.48 arc(72.69,29.67) 72.5,29.75 arc(72.31,29.67) 72.22,29.48 72.22,29.26 arc(72.14,29.07) 71.95,28.99 arc(71.76,29.07) 71.67,29.26 71.67,29.48 arc(71.59,29.67) 71.4,29.75 arc(71.21,29.67) 71.12,29.48 71.12,29.26 arc(71.04,29.07) 70.85,28.99 arc(70.66,29.07) 70.58,29.26 70.58,29.48 arc(70.49,29.67) 70.3,29.75 arc(70.11,29.67) 70.03,29.48 70.03,29.26 arc(69.94,29.07) 69.75,28.99 arc(69.56,29.07) 69.47,29.26 69.47,29.48 arc(69.39,29.67) 69.2,29.75 arc(69.01,29.67) 68.92,29.48 68.92,29.26 arc(68.84,29.07) 68.65,28.99 arc(68.46,29.07) 68.38,29.26 68.38,29.48 arc(68.29,29.67) 68.1,29.75 arc(67.91,29.67) 67.83,29.48 67.83,29.26 arc(67.74,29.07) 67.55,28.99 arc(67.36,29.07) 67.28,29.26 67.28,29.48 arc(67.19,29.67) 67,29.75 arc(66.81,29.67) 66.72,29.48 66.72,29.26 arc(66.64,29.07) 66.45,28.99 arc(66.26,29.07) 66.17,29.26 66.17,29.48 arc(66.09,29.67) 65.9,29.75 arc(65.71,29.67) 65.62,29.48 65.62,29.26 arc(65.54,29.07) 65.35,28.99 arc(65.16,29.07) 65.08,29.26 65.08,29.48 arc(64.99,29.67) 64.8,29.75 arc(64.61,29.67) 64.53,29.48 64.53,29.26 arc(64.44,29.07) 64.25,28.99 arc(64.06,29.07) 63.97,29.26 63.97,29.48 arc(63.89,29.67) 63.7,29.75 arc(63.51,29.67) 63.42,29.48 63.42,29.26 arc(63.34,29.07) 63.15,28.99 arc(62.96,29.07) 62.88,29.26 62.88,29.48 arc(62.79,29.67) 62.6,29.75 arc(62.41,29.67) 62.33,29.48 62.33,29.26 arc(62.24,29.07) 62.05,28.99 arc(61.86,29.07) 61.78,29.26 61.78,29.48 arc(61.69,29.67) 61.5,29.75 59.4,29.75
/~{DFU_TRIG}: length 17.2
  Top w0.2: SW2.2 56.8,4.65 U6.22
  Bottom w0.2: 57.15,4.75 57.2,4.7 R26.2 ; SW2.2 58.6,4.7
/~{FPGA_CS}: length 14.6
  Top w0.127: 45.89,28.49 45.89,27.89 47.62,26.16 47.62,24.09 53.64,18.08 54.62,18.08
/~{FPGA_INIT}: length 16.7
  Top w0.127: 56.8,19.75 56.8,20.7 v1(56.79,20.71) 56.62,20.88 51.93,20.88 48.75,24.06 48.75,26.77 47.03,28.49
  Bottom w0.127: v1(56.79,20.71) TP29.1
/~{FPGA_PROG}: length 19.5
  Top w0.127: 46.46,29.06 47.06,29.06 48.2,27.91 48.2,27.9 49.1,27 49.1,24.07 52.04,21.13 57.06,21.13 57.3,20.89 v1(57.3,20.53) 57.3,19.78
  Bottom w0.127: v1(57.3,20.53) 57.3,21.03 57.85,21.58 59,21.58
/~{FPGA_RESET}: length 21.5
  Top w0.2: 69.69,9.74 69.69,12.09 v1(69.7,12.1) ; v1(72.4,20.35) 72.41,20.34 74.27,20.34
  In3.Cu w0.2: v2(64.3,13.4) 65.6,12.1 v1(69.7,12.1)
  Bottom w0.2: v1(69.7,12.1) 70.25,12.1 70.85,12.7 70.85,18.8 v1(72.4,20.35) ; v2(64.3,13.4) 63.75,13.4 63,14.15
/~{SPI_CS}: length 12.8
  Top w0.2: U6.3 60.3,17.6 63.45,14.45 64.8,14.45 65.25,14.01 U2.1 65.25,12.7 v2(64.61,12.06) 64.6,12.05 64.6,9.75
Net-(C10-Pad1): length 7.1
  Top w0.2: U5.3 5.25,18.75 5.1,18.6 ; SW1.2 4.4,19.35 5.1,18.65
  Bottom w0.3: SW1.2 5.1,19.35
Net-(C14-Pad1): length 4
  Top w0.2: U6.18 53.5,16.6 53.25,16.35 53.25,15.3 ; 51.75,15.35 51.78,15.33 C14.1
Net-(C20-Pad1): length 1.1
  Top w0.2: v1(18.04,21.79) 18.39,22.15 U8.4
  Bottom w0.2: 17.65,21.8 17.66,21.79 v1(18.04,21.79)
Net-(C32-Pad1): length 1.1
  Top w0.2: U9.4 18.17,19.15 v1(17.96,18.95)
  Bottom w0.2: 17.6,18.95 17.6,18.95 v1(17.96,18.95)
Net-(C35-Pad1): length 1.3
  Top w0.2: U10.4 22.61,23.45 v1(22.21,23.05)
  Bottom w0.2: v1(22.21,23.05) 21.87,23.4 21.75,23.4
Net-(C37-Pad1): length 1.7
  Top w0.2: U11.2 21.17,49.75 C37.1
Net-(C38-Pad1): length 1.7
  Top w0.2: C38.1 20.67,49.75 U11.3
Net-(D1-Pad2): length 1.5
  Top w0.3: R4.2 52.45,4.9
Net-(D2-Pad2): length 1.5
  Top w0.3: 47.75,6.39 47.75,4.91
Net-(D3-Pad2): length 1.5
  Top w0.3: 44.75,6.39 44.75,4.91
Net-(D4-Pad2): length 1.5
  Top w0.3: 41.75,6.39 41.75,4.91
Net-(D5-Pad2): length 1.5
  Top w0.3: 38.75,6.39 38.75,4.91
Net-(D6-Pad2): length 1.5
  Top w0.3: 35.75,6.39 35.75,4.91
Net-(D7-Pad2): length 1.5
  Top w0.3: R15.2 D7.2
Net-(D8-Pad2): length 1.5
  Top w0.3: 49.25,6.39 49.25,4.91
Net-(D9-Pad2): length 1.5
  Top w0.3: 46.25,6.39 46.25,4.91
Net-(D10-Pad2): length 1.5
  Top w0.3: 43.25,6.39 43.25,4.91
Net-(D11-Pad2): length 1.5
  Top w0.3: 40.25,6.39 40.25,4.91
Net-(D12-Pad2): length 1.5
  Top w0.3: 37.25,6.39 37.25,4.91
Net-(D13-Pad2): length 1.5
  Top w0.2: R24.2 55.65,4.9
Net-(D14-Pad2): length 1.4
  Top w0.2: R32.2 D14.2
Net-(Q3-Pad1): length 2
  Top w0.2: Q3.2 12.83,36.33 12.98,36.48 ; 13.45,35.1 13.45,35.83 12.98,36.3
Net-(Q3-Pad5): length 2.7
  Top w0.2: v1(12.98,37.88) 12.8,37.71 Q3.5
  Bottom w0.2: v1(12.98,37.88) 13.48,37.88 13.48,36.33
Net-(U11-Pad12): length 6.7
  Top w0.2: U11.12 v2(20.17,44.23) ; U11.5 v2(19.67,49.43)
  In3.Cu w0.2: v2(19.67,49.43) 20.17,48.93 v2(20.17,44.23)
